# KiCad board motherboard.kicad_pcb (continued)
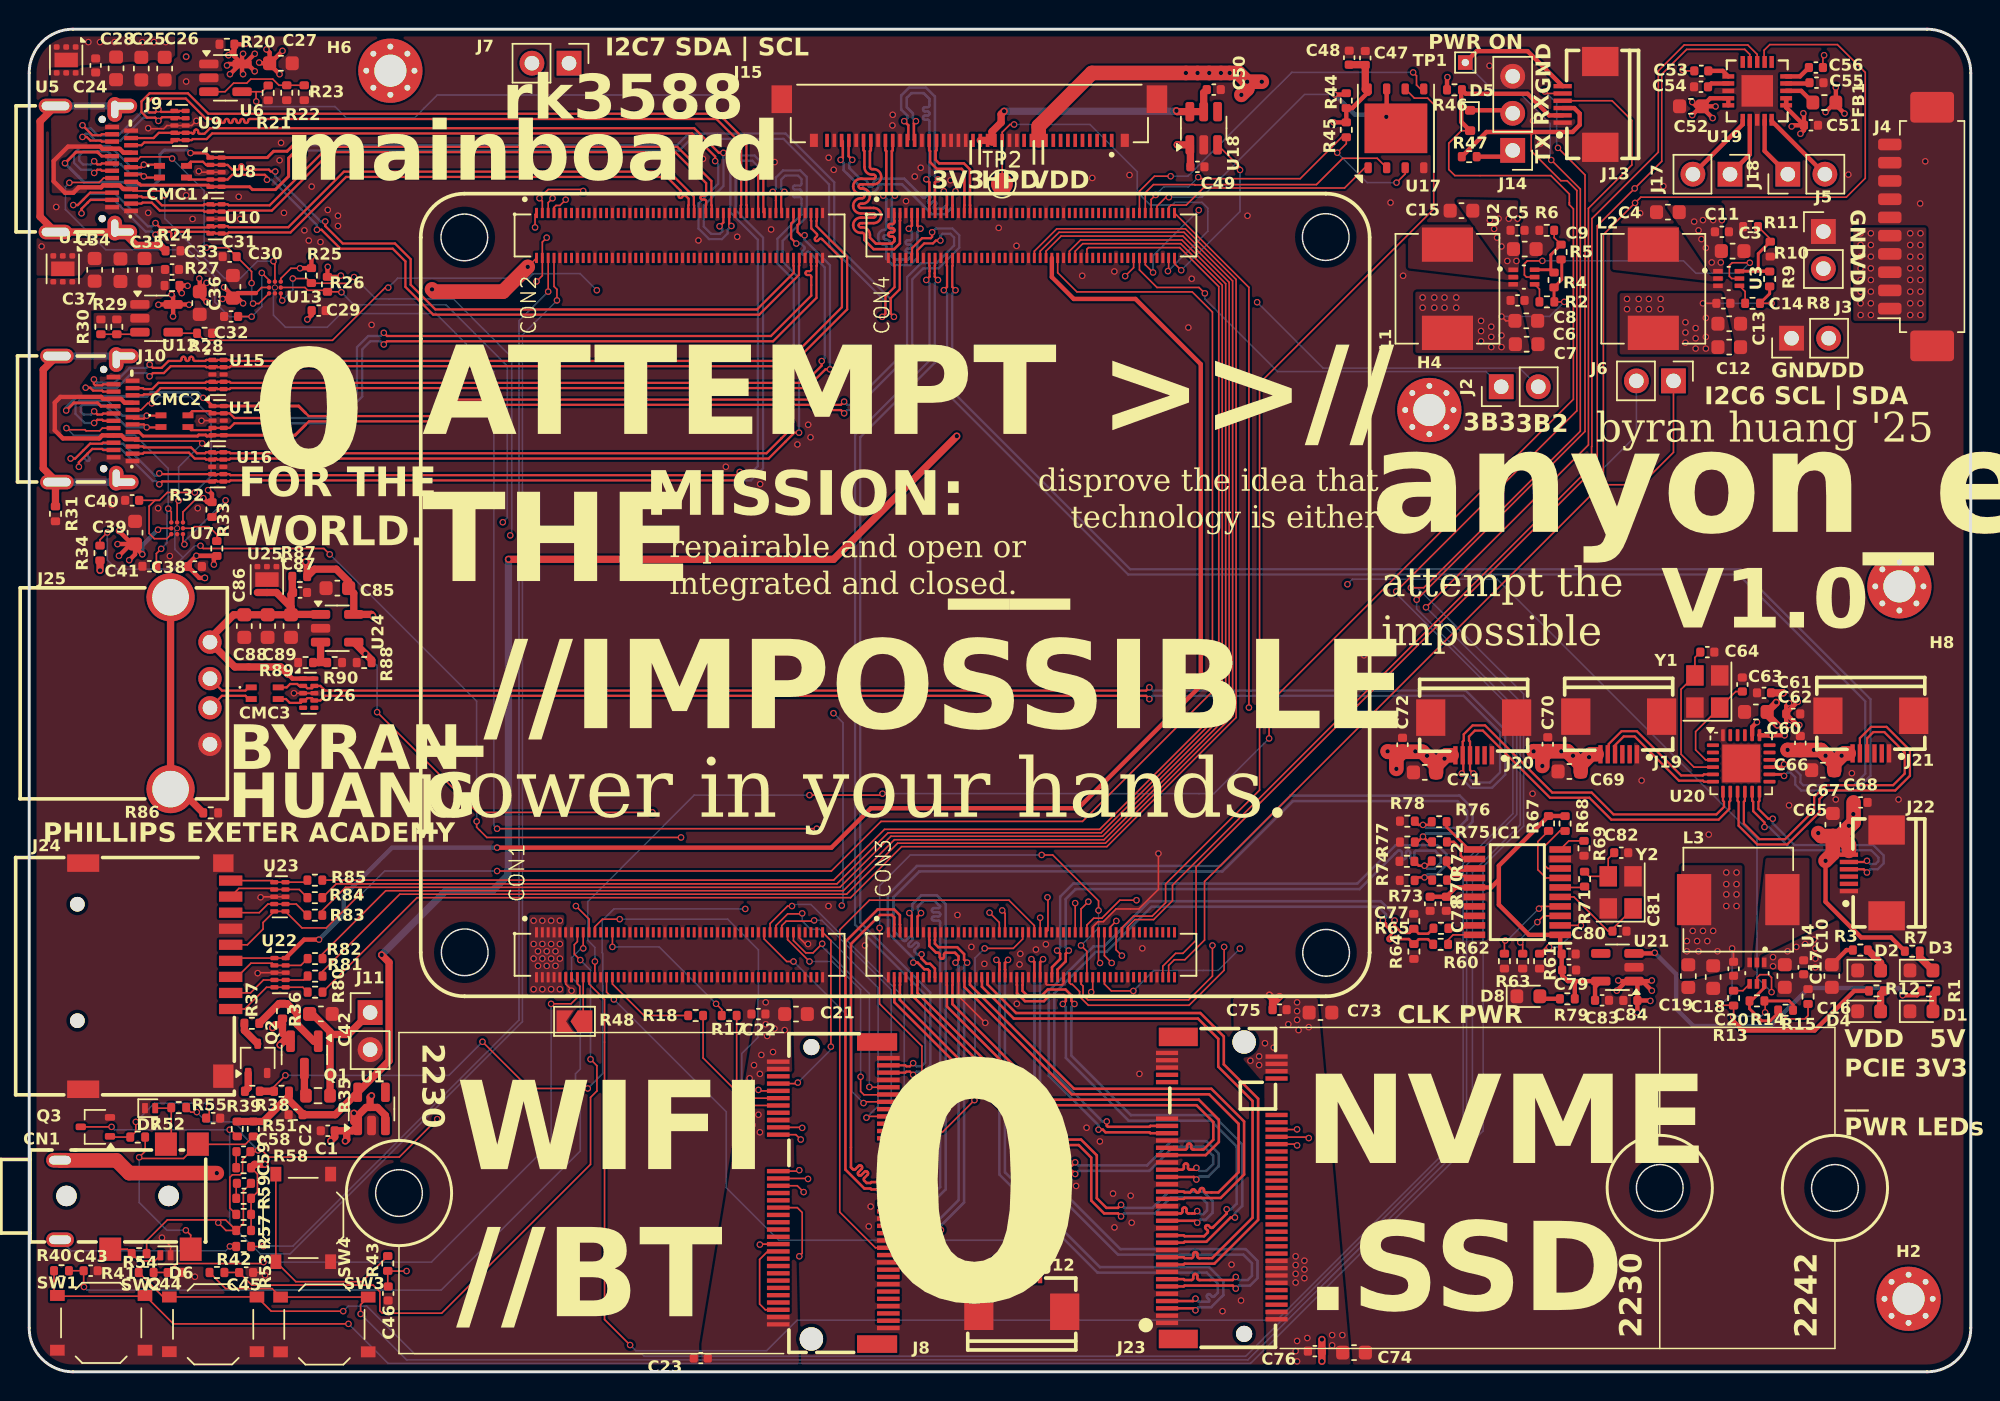
[diagram p0: board, top side]
## Routing (per net, layer and track width the routed paths; a pad name or vN(x,y) marks a point on that pad's centre or on a via; arc(x,y) is an arc through that point) (continued)
  Top w0.11: v1(17.55,20.32) 16.77,19.54 R38.2 ; J1.241 66.85,31.41 v1(66.65,31.62) ; v1(38.26,19.42) 34.25,19.42 v1(31.05,22.62)
  Top w0.5: R39.1 R38.2
  In2.Cu w0.11: v1(66.65,31.62) 65.75,32.52 49.85,32.52 v1(49.05,31.72)
  Bottom w0.11: v1(17.55,20.32) 28.75,20.32 v1(31.05,22.62) ; v1(38.26,19.42) 39.29,20.44 39.29,28.68 39.25,28.72 39.25,30.92 40.05,31.72 v1(49.05,31.72)
/GPIO2_A6: length 16.5
  Top w0.11: J1.79 50.35,29.66 51.89,28.12 v1(52.35,28.12) ; v1(57.15,18.42) 57.24,18.5 J8.13
  Bottom w0.11: v1(57.15,18.42) 56.35,19.22 56.35,24.12 v1(52.35,28.12)
/GPIO2_A7: length 22.1
  Top w0.11: v1(52.25,31.92) 51.95,31.92 50.75,30.71 J1.81 ; v1(60.25,18.02) 60.24,18 J8.15
  Bottom w0.11: v1(60.25,18.02) 59.94,18.33 59.94,25.63 53.54,32.03 52.36,32.03 v1(52.25,31.92)
/GPIO2_B0: length 21
  Top w0.11: v1(57.35,17.42) 57.44,17.5 J8.17 ; v1(52.95,31.42) 52.92,31.38 51.95,31.38 51.15,30.58 J1.83
  Bottom w0.11: v1(57.35,17.42) 58.15,18.22 58.15,26.32 54.14,30.32 53.52,30.32 52.95,30.89 v1(52.95,31.42)
/GPIO2_B1: length 21.3
  Top w0.11: J8.19 60.24,17 v1(60.25,17.02) ; J1.85 51.55,30.58 51.85,30.88 53.72,30.88 v1(53.77,30.93)
  Bottom w0.11: v1(53.77,30.93) 54.3,30.93 59.05,26.18 59.05,18.02 60.05,17.02 v1(60.25,17.02)
/GPIO2_B2: length 15.9
  Top w0.11: J8.11 58.83,18.98 57.19,18.98 56.95,19.22 v1(56.95,20.22) ; v1(53.45,28.12) 51.95,29.62 J1.87
  Bottom w0.11: v1(56.95,20.22) 56.95,26.18 55.02,28.12 v1(53.45,28.12)
/GPIO2_B3: length 15.6
  Top w0.11: v1(57.55,19.52) 57.57,19.5 J8.9 ; v1(54.32,29.34) 53.69,28.71 53.2,28.71 52.35,29.55 J1.89
  Bottom w0.11: v1(57.55,19.52) 57.55,25.92 54.32,29.15 v1(54.32,29.34)
/GPIO2_B7: length 12.9
  Top w0.11: v1(52.65,19.82) 52.59,19.75 J8.8 ; 54.91,22.26 v1(54.91,22.28) 54.91,29.55 J1.99
  Bottom w0.11: v1(54.91,22.28) 54.91,22.08 v1(52.65,19.82)
/GPIO2_C0: length 24.9
  Top w0.11: J8.10 50.02,19.25 v1(49.95,19.32) ; v1(40.45,31.02) 39.27,31.02 38.75,30.5 J1.21
  Bottom w0.11: v1(49.95,19.32) 49.39,19.32 48.82,19.89 48.82,21.81 49.92,22.91 49.92,25.54 49.95,25.57 49.95,28.92 47.85,31.02 v1(40.45,31.02)
/GPIO2_C3: length 10.7
  Top w0.11: v1(39.95,29.12) 39.95,30.11 J1.27 ; v1(47.05,25.22) 47.44,24.83 R17.2
  Bottom w0.11: v1(47.05,25.22) 43.15,29.12 v1(39.95,29.12)
/GPIO3_A0/SPI4_MISO_M1/PWM10_M0: length 25.3
  Top w0.11: J1.387 76.05,80.9 77.08,81.93 v1(78.19,81.93) ; v1(94.8,89.04) 95.03,88.81 95.03,88.18 95.53,87.68
  Bottom w0.11: v1(94.8,89.04) 94.79,89.05 86.49,89.05 79.37,81.93 v1(78.19,81.93)
/GPIO3_A1/SPI4_MOSI_M1: length 19.2
  Top w0.11: U17.2 92.34,83.16 89.98,83.16 88.18,81.35 80.33,81.35 80.3,81.33 79.86,81.33 79.83,81.35 77.01,81.35 76.45,80.79 J1.389
/GPIO3_A2/SPI4_CLK_M1/UART8_TX_M1: length 23.6
  Top w0.11: v1(93.66,81.49) 94.26,82.08 U17.3 ; v1(80.08,81.86) 80.19,81.76 87.06,81.76 89.9,84.6 R45.2 90.22,84.16 v1(89.6,83.54) ; v1(77.16,80.64) 76.85,80.33 J1.391
  Bottom w0.11: v1(93.66,81.49) 91.65,81.49 v1(89.6,83.54) ; v1(80.08,81.86) 79.41,81.2 77.72,81.2 v1(77.16,80.64)
/GPIO3_A3/SPI4_CS0_M1/UART8_RX_M1: length 22.5
  Top w0.11: v1(78.07,80.49) 77.87,80.49 77.25,79.87 J1.393
  Top w0.3: 92.99,87.68 92.99,86.02 v1(92.96,86) ; v1(89.42,87.53) 90.13,87.53 R44.2
  Bottom w0.11: v1(78.07,80.49) 80.32,80.49 87.36,87.53 v1(89.42,87.53)
  Bottom w0.3: v1(92.96,86) 92.81,86.15 90.8,86.15 v1(89.42,87.53)
/GPIO3_A5: length 15.3
  Top w0.11: 91.72,82.73 90.1,81.12 80.43,81.12 79.26,79.95 78.22,79.95 78.05,79.79 J1.397
/GPIO3_A6/LCD_RST: length 120.5
  Top w0.11: v1(52.75,7.92) 52.95,8.12 52.95,10.92 52.62,11.25 J8.42 ; v1(83.55,45.52) 83.55,74.31 J1.399
  In2.Cu w0.11: v1(83.55,45.52) 83.55,39.35 92.25,30.65 92.25,13.12 88.35,9.22 83.69,9.22 83.75,9.22 72.75,9.22 71.15,10.82 65.75,10.82 62.15,7.22 53.45,7.22 v1(52.75,7.92)
/GPIO3_A7: length 11.9
  Top w0.11: U18.3 82.94,82.54 v1(82.94,82.35) ; v1(78.91,75.48) 78.45,75.94 J1.400
  Bottom w0.11: v1(78.91,75.48) 82.94,79.51 v1(82.94,82.35)
/GPIO3_B2: length 32.9
  Top w0.11: v1(75.07,75.08) 75.65,75.66 J1.386
  In2.Cu w0.11: v1(84.11,73.29) 76.86,73.29 v1(75.07,75.08)
  Bottom w0.11: v1(84.11,73.29) 88.63,68.78 102.1,68.78 J2.2
/GPIO3_B3: length 29.1
  Top w0.11: v1(80.53,73.9) 80.13,74.3 77.26,74.3 76.05,75.5 J1.388
  Bottom w0.11: J2.1 99.79,68.54 85.51,68.54 80.53,73.52 v1(80.53,73.9)
/GPIO3_B4: length 92.7
  Top w0.11: R28.1 9.93,71.17 U12.4 ; R28.1 11.43,71.24 ; R28.1 11.99,70.68 20.77,70.68 24.38,74.29 v1(24.59,74.29) ; v1(76.98,75.33) 76.45,75.86 J1.390
  In2.Cu w0.11: v1(38.88,74.11) 41.96,77.19 41.96,81.11 49.78,88.93 71.94,88.93 80.11,80.76 v1(80.11,79.6)
  Bottom w0.11: v1(38.88,74.11) 37.74,75.25 34.53,75.25 34.22,74.94 25.24,74.94 v1(24.59,74.29) ; v1(80.11,79.6) 76.98,76.47 v1(76.98,75.33)
/GPIO3_B7: length 27.6
  Top w0.11: v1(78,75.42) 78.05,75.47 J1.398 ; TP2.1 66.65,81.42 J15.16 66.65,84.94 67.18,85.47 v1(67.46,85.47)
  Bottom w0.11: v1(78,75.42) 80.73,78.15 80.73,79.74 80.33,80.14 78.48,80.14 78.29,79.95 76.79,79.95 75.91,80.84 75.91,82.23 72.66,85.47 v1(67.46,85.47)
/GPIO4_A0/TP_2_INT_L: length 39
  Top w0.11: J8.53 57.97,8.5 55.52,10.94 55.52,30.29 57.55,32.32 67.11,32.32 68.85,30.58 J1.251
/GPIO4_A1/TP_2_RST_L: length 39.6
  Top w0.11: v1(60.35,8.02) 60.34,8 J8.55 ; v1(69.25,31.12) J1.253
  In2.Cu w0.11: v1(69.25,31.12) 69.29,31.08 73.62,31.08 74.45,31.92 74.81,31.92 75.58,31.14 75.58,26.97 64.79,16.17 64.79,11.3 61.5,8.02 v1(60.35,8.02)
/GPIO4_A2: length 50.3
  Top w0.11: J1.255 69.79,30.25 69.79,32.48 v1(69.75,32.52) ; J8.52 50.09,8.75 v1(50.05,8.72)
  In2.Cu w0.11: v1(69.75,32.52) 69.45,32.82 49.15,32.82 48.05,31.72 48.05,9.92 49.25,8.72 v1(50.05,8.72)
/GPIO4_B4/PCIE30X4_CLKREQn_M1_L: length 30.5
  Top w0.11: J1.265 71.65,32.11 v1(71.65,32.12) ; v1(87.65,16.02) 87.59,16.08 85.46,16.08 J23.52
  In2.Cu w0.11: v1(71.65,32.12) 72.35,32.82 74.49,32.82 75.59,31.71 77.13,31.71 87.65,21.2 v1(87.65,16.02)
/GPIO4_B5/PCIE30X4_WAKEn_M1_L: length 27.5
  Top w0.11: v1(86.85,16.62) 86.84,16.6 J23.54 ; v1(72.55,32.22) 72.05,31.72 J1.267
  In2.Cu w0.11: v1(86.85,16.62) 86.85,21.72 77.05,31.52 75.51,31.52 74.81,32.22 v1(72.55,32.22)
/GPIO4_B6/PCIE30X4_PERSTn_M1_L: length 30
  Top w0.11: v1(86.85,15.52) 86.77,15.6 J23.50 ; v1(75.85,32.32) 74.71,32.32 73.47,31.08 72.92,31.08 72.45,30.62 J1.269
  In2.Cu w0.11: v1(86.85,15.52) 86.89,15.48 88.02,15.48 88.45,15.92 88.45,20.68 76.81,32.32 v1(75.85,32.32)
/GPIO4_C2: length 41.5
  Top w0.11: v1(67.15,9.02) 67.25,9.02 67.65,8.62 67.65,7.84 67.24,7.43 J12.2 ; J1.26 39.55,26.02 v1(40.05,25.52)
  Bottom w0.11: v1(67.15,9.02) 51.35,9.02 47.75,12.62 47.75,17.82 v1(40.05,25.52)
/GPIO4_C3: length 6.5
  Top w0.11: R18.2 42.11,24.42 39.95,26.58 J1.28
/HDMI1_TX0N: length 14.4
  Top w0.176: J15.29 60.22,84.45 60.22,85.42 v1(59.94,85.7) ; J1.317 62.05,79.93 62.04,79.94 62.04,81.51 v1(62.25,81.72)
  Bottom w0.176: v1(62.25,81.72) 62.04,81.93 62.04,87.38 61.43,88 60.27,88 59.73,87.45 59.73,86.5 60.15,86.08 60.15,85.91 v1(59.94,85.7)
/HDMI1_TX0P: length 14.4
  Top w0.176: J1.315 61.65,79.93 61.66,79.94 61.66,81.51 v1(61.45,81.72) ; J15.28 60.6,84.43 60.6,85.56 v1(60.74,85.7)
  Bottom w0.176: v1(60.74,85.7) 60.53,85.91 60.53,86.23 60.11,86.65 60.11,87.3 60.43,87.62 61.27,87.62 61.66,87.23 61.66,86.77 arc(61.63,86.69) 61.55,86.65 61.35,86.65 arc(61.27,86.62) 61.23,86.54 61.23,86.48 arc(61.27,86.4) 61.35,86.37 61.55,86.37 arc(61.63,86.33) 61.66,86.25 61.66,86.2 arc(61.63,86.11) 61.55,86.08 61.35,86.08 arc(61.27,86.05) 61.23,85.97 61.23,85.91 arc(61.27,85.83) 61.35,85.79 61.55,85.79 arc(61.63,85.76) 61.66,85.68 61.66,81.93 v1(61.45,81.72)
/HDMI1_TX1N: length 14.7
  Top w0.176: v1(58.5,80.6) 58.71,80.81 58.71,83.64 58.65,83.7 J15.32 ; v1(61.05,78.33) 60.84,78.54 60.84,78.87 60.85,78.88 J1.311
  Bottom w0.176: v1(58.5,80.6) 58.71,80.39 58.71,78.35 arc(58.69,78.29) 58.62,78.26 arc(58.29,78.12) 58.16,77.79 58.16,77.68 arc(58.29,77.35) 58.62,77.22 arc(58.69,77.19) 58.71,77.13 58.71,76.28 59.15,75.84 60.35,75.84 60.84,76.33 60.84,78.12 v1(61.05,78.33)
/HDMI1_TX1P: length 14.7
  Top w0.176: v1(59.3,80.6) 59.09,80.81 59.09,83.64 59.15,83.7 J15.31 ; v1(60.25,78.33) 60.46,78.54 60.46,78.87 60.45,78.88 J1.309
  Bottom w0.176: v1(60.25,78.33) 60.46,78.12 60.46,77.65 arc(60.43,77.57) 60.35,77.53 60.16,77.53 arc(60.08,77.5) 60.05,77.42 60.05,77.36 arc(60.08,77.28) 60.16,77.25 60.35,77.25 arc(60.43,77.21) 60.46,77.13 60.46,77.08 arc(60.43,77) 60.35,76.96 60.16,76.96 arc(60.08,76.93) 60.05,76.85 60.05,76.79 arc(60.08,76.71) 60.16,76.68 60.35,76.68 arc(60.43,76.64) 60.46,76.56 60.46,76.48 60.19,76.22 59.31,76.22 59.09,76.43 59.09,77.13 arc(58.95,77.46) 58.62,77.6 arc(58.56,77.62) 58.54,77.68 58.54,77.79 arc(58.56,77.86) 58.62,77.88 arc(58.95,78.02) 59.09,78.35 59.09,80.39 v1(59.3,80.6)
/HDMI1_TX2N: length 17.5
  Top w0.176: J15.35 57.15,83.7 57.21,83.64 57.21,82.55 arc(57.36,82.19) 57.73,82.03 57.84,82.03 arc(57.94,81.99) 57.98,81.89 arc(57.94,81.79) 57.84,81.75 56.96,81.75 arc(56.59,81.59) 56.44,81.23 arc(56.59,80.86) 56.96,80.7 57.07,80.7 arc(57.17,80.66) 57.21,80.56 arc(57.17,80.46) 57.07,80.42 56.96,80.42 arc(56.59,80.26) 56.44,79.9 arc(56.59,79.53) 56.96,79.37 57.84,79.37 arc(57.94,79.33) 57.98,79.23 arc(57.94,79.13) 57.84,79.09 56.96,79.09 arc(56.59,78.94) 56.44,78.57 arc(56.59,78.2) 56.96,78.04 57.07,78.04 arc(57.17,78) 57.21,77.9 57.21,77.56 57.84,76.93 59.25,76.93 59.64,77.32 59.64,78.87 59.65,78.88 J1.305
/HDMI1_TX2P: length 17.5
  Top w0.176: J1.303 59.25,78.88 59.26,78.87 59.26,78.77 arc(59.23,78.68) 59.15,78.65 58.96,78.65 arc(58.88,78.62) 58.85,78.54 58.85,78.48 arc(58.88,78.4) 58.96,78.37 59.15,78.37 arc(59.23,78.33) 59.26,78.25 59.26,78.19 arc(59.23,78.11) 59.15,78.08 58.96,78.08 arc(58.88,78.05) 58.85,77.97 58.85,77.91 arc(58.88,77.83) 58.96,77.79 59.15,77.79 arc(59.23,77.76) 59.26,77.68 59.26,77.47 59.09,77.31 58,77.31 57.59,77.71 57.59,77.9 arc(57.44,78.27) 57.07,78.42 56.96,78.42 arc(56.86,78.47) 56.82,78.57 arc(56.86,78.67) 56.96,78.71 57.84,78.71 arc(58.21,78.86) 58.36,79.23 arc(58.21,79.6) 57.84,79.75 56.96,79.75 arc(56.86,79.79) 56.82,79.9 arc(56.86,80) 56.96,80.04 57.07,80.04 arc(57.44,80.19) 57.59,80.56 arc(57.44,80.93) 57.07,81.08 56.96,81.08 arc(56.86,81.12) 56.82,81.23 arc(56.86,81.33) 56.96,81.37 57.84,81.37 arc(58.21,81.52) 58.36,81.89 arc(58.21,82.26) 57.84,82.41 57.73,82.41 arc(57.63,82.45) 57.59,82.55 57.59,83.64 57.65,83.7 J15.34
/HDMI1_TX3N: length 14.5
  Top w0.176: J1.323 63.25,79.93 63.24,79.94 63.24,80.69 v1(63.45,80.9) ; J15.38 55.73,84.3 55.73,83.2 v1(55.58,83.05)
  Bottom w0.176: v1(63.45,80.9) 63.24,80.69 63.24,79.82 62.75,79.33 61.83,79.33 59.78,81.38 58.24,81.38 arc(58.18,81.35) 58.16,81.29 arc(58.02,80.96) 57.69,80.82 57.58,80.82 arc(57.25,80.96) 57.11,81.29 arc(57.09,81.35) 57.02,81.38 56.75,81.38 55.79,82.34 55.79,82.84 v1(55.58,83.05)
/HDMI1_TX3P: length 14.5
  Top w0.176: J1.321 62.85,79.93 62.86,79.94 62.86,80.69 v1(62.65,80.9) ; v1(56.38,83.05) 56.13,83.3 56.13,84.36 J15.37
  Bottom w0.176: v1(62.65,80.9) 62.86,80.69 62.86,79.97 62.59,79.71 61.99,79.71 arc(61.96,79.79) 61.99,79.87 62.11,79.99 arc(62.15,80.07) 62.11,80.15 62.07,80.19 arc(61.99,80.23) 61.91,80.19 61.79,80.07 arc(61.71,80.04) 61.63,80.07 61.59,80.11 arc(61.55,80.19) 61.59,80.27 61.71,80.39 arc(61.74,80.48) 61.71,80.56 61.67,80.6 arc(61.59,80.63) 61.51,80.6 61.38,80.47 arc(61.3,80.44) 61.22,80.47 59.94,81.76 58.24,81.76 arc(57.91,81.62) 57.78,81.29 arc(57.75,81.23) 57.69,81.2 57.58,81.2 arc(57.52,81.23) 57.49,81.29 arc(57.35,81.62) 57.02,81.76 56.91,81.76 56.17,82.49 56.17,82.84 v1(56.38,83.05)
/HDMI1_TX_SBDN: length 7
  Top w0.176: J1.329 64.45,79.93 64.44,79.94 64.44,82.39 64.03,82.81 62.33,82.81 62.09,83.04 62.09,83.64 62.15,83.7 J15.25
/HDMI1_TX_SBDP: length 7
  Top w0.176: J1.327 64.05,79.93 64.06,79.94 64.06,82.24 63.87,82.43 62.17,82.43 61.71,82.89 61.71,83.64 61.65,83.7 J15.26
/I2C6_SCL_M0: length 207.7
  Top w0.11: 106.89,61.56 79.93,34.6 79.93,29.58 79.03,28.68 78.53,28.68 77.65,27.8 J1.296 ; 106.89,61.56 107.41,62.08 107.41,78.53 v1(109.98,81.09) 111.83,82.95 111.83,88.91 113.54,90.62 117.52,90.62 117.86,90.27 U19.19 ; 106.89,61.56 107.11,61.34 v1(107.11,61.19) ; U13.B3 18.89,74.3 19.08,74.11 20.33,74.11 R26.2 21.35,74.01 v1(21.39,73.97)
  In2.Cu w0.11: v1(32.44,58.22) 74.69,58.22 97.57,81.09 v1(109.98,81.09)
  Bottom w0.11: v1(107.11,61.19) 110.09,64.17 J6.2 ; v1(32.44,58.22) 32.75,58.53 32.75,68.92 28.55,73.12 22.24,73.12 v1(21.39,73.97)
/I2C6_SDA_M0: length 229
  Top w0.11: 107.7,60.79 110.41,60.79 112.63,63.01 J6.1 ; 107.7,60.79 80.51,33.6 80.51,29.59 79.16,28.24 78.44,28.24 78.05,27.85 J1.298 ; 107.7,60.79 107.83,60.92 107.83,77.93 v1(110,80.1) 110.39,80.49 124.47,80.49 125.77,81.79 125.77,89.04 123.86,90.95 119.23,90.95 118.84,90.56 118.84,89.79 U19.17 ; v1(22.25,75.02) 21.82,74.58 21.08,74.58 21.07,74.59 19.35,74.59 R25.2 19.02,74.92 v1(18.06,74.92) ; v1(17.33,73.41) 17.23,73.51 U13.C3
  In2.Cu w0.11: v1(32.95,57.32) 74.45,57.32 97.75,80.62 109.48,80.62 v1(110,80.1)
  Bottom w0.11: v1(18.06,74.92) 18.06,74.13 v1(17.33,73.41) ; v1(22.25,75.02) 23.75,73.52 29.05,73.52 33.05,69.52 33.05,57.42 v1(32.95,57.32)
/I2C7_SCL_M0: length 53
  Top w0.11: v1(13.25,57.62) 12.85,57.22 R33.2 12.85,57.38 12.32,57.91 11.31,57.91 11.2,57.8 U7.B3 ; v1(36.75,80.32) 36.36,79.92 36.08,79.92 35.95,79.79 J1.107
  In2.Cu w0.11: v1(13.25,57.62) 12.85,58.02 12.85,64.57 29.49,81.22 35.85,81.22 v1(36.75,80.32)
  In3.Cu w0.11: v1(36.75,80.32) 36.98,80.54 J7.1
/I2C7_SDA_M0: length 51.9
  Top w0.11: v1(35.85,80.42) 35.55,80.11 J1.105 ; R32.2 13.45,59.5 v1(13.45,59.72) ; v1(10.63,56.7) 10.53,56.8 U7.C3
  In2.Cu w0.11: v1(35.85,80.42) 35.32,80.95 29.51,80.95 13.45,64.89 v1(13.45,59.72)
  In3.Cu w0.11: v1(35.85,80.42) 35.85,88.26 J7.2
  Bottom w0.11: v1(10.63,56.7) 10.63,56.9 v1(13.45,59.72)
/MIC_IN: length 77.8
  Top w0.11: J1.106 35.55,74.02 v1(35.55,74.02) ; R53.2 16.02,8.59 v1(16.05,8.62)
  Bottom w0.11: v1(16.05,8.62) 18.07,8.62 33.55,24.1 33.55,72.02 v1(35.55,74.02)
/PCIE2.0-EKEY/GPIO3_D5/PWM11_M3/LCD_2_BL: length 6
  Top w0.11: J8.54 50.58,8.25 50.03,7.7 50.03,4.64 50.43,4.25 J8.70
/PCIE3.0-MKEY/CLK2N: length 2.4
  Top w0.176: IC1.13 98.48,34.49 98.35,34.36 97.51,34.36 97.09,34.77 R72.1
/PCIE3.0-MKEY/CLK2P: length 2
  Top w0.176: R70.1 97.22,33.69 97.51,33.98 98.35,33.98 98.48,33.84 IC1.14
/PCIE3.0-MKEY/CLK3N: length 2.9
  Top w0.176: IC1.11 98.63,35.79 97.09,37.32 R76.1
/PCIE3.0-MKEY/CLK3P: length 2.6
  Top w0.176: R75.1 97.59,36.31 98.06,35.83 98.06,35.37 98.29,35.14 IC1.12
/PCIE3.0-MKEY/PCIE30_REFCLK_A_N: length 46.3
  Top w0.176: R62.2 95.82,30.02 95.18,30.02 R65.2 94.56,30.08 94.02,30.08 93.53,30.57 v1(93.53,30.93) ; v1(73.25,16.59) 73.55,16.59 73.73,16.41 76.74,16.41 76.8,16.35 J23.53
  Bottom w0.176: v1(93.53,30.93) 93.32,31.14 93.32,31.51 92.59,32.25 76.72,32.25 73.63,29.16 72.91,29.16 69.84,26.08 69.84,20.3 73.25,16.89 v1(73.25,16.59)
/PCIE3.0-MKEY/PCIE30_REFCLK_A_P: length 46.3
  Top w0.176: R60.2 95.82,29.64 95.18,29.64 R64.2 94.51,29.65 93.85,29.65 93.7,29.8 arc(93.62,29.83) 93.54,29.8 93.28,29.54 arc(93.2,29.51) 93.11,29.54 93.07,29.58 arc(93.04,29.66) 93.07,29.74 93.33,30 arc(93.37,30.08) 93.33,30.16 92.94,30.56 92.94,30.72 v1(92.73,30.93) ; v1(73.81,17.16) 73.81,16.86 73.88,16.79 76.74,16.79 76.8,16.85 J23.55
  Bottom w0.176: v1(92.73,30.93) 92.94,31.14 92.94,31.36 92.43,31.87 76.88,31.87 73.79,28.78 73.07,28.78 70.22,25.93 70.22,20.45 73.52,17.16 v1(73.81,17.16)
/PCIE3.0-MKEY/X1: length 6.7
  Top w0.11: IC1.5 105.82,32.54 108.17,30.19 C81.1 108.45,30.34 Y2.1
/PCIE3.0-MKEY/X2: length 1.7
  Top w0.11: R71.1 106.48,33.19 IC1.6
/PCIE20_1_REFCLKN: length 26.5
  Top w0.176: J1.217 62.05,29.59 62.04,29.58 62.04,29.33 62.28,29.1 63.57,29.1 64.04,28.62 64.04,28.25 v1(64.25,28.04) ; v1(62.45,9.72) 62.16,9.72 61.99,9.56 60.07,9.56 60.01,9.5 J8.49
  Bottom w0.176: v1(64.25,28.04) 64.04,27.83 64.04,11.61 62.45,10.02 v1(62.45,9.72)
/PCIE20_1_REFCLKP: length 26.5
  Top w0.176: J8.47 60.01,10 60.07,9.94 61.84,9.94 61.89,9.99 v1(61.89,10.29) ; J1.215 61.65,29.59 61.66,29.58 61.66,29.18 62.12,28.72 62.26,28.72 arc(62.34,28.68) 62.38,28.6 62.38,28.42 arc(62.41,28.34) 62.49,28.3 62.55,28.3 arc(62.63,28.34) 62.66,28.42 62.66,28.6 arc(62.7,28.68) 62.78,28.72 63.41,28.72 63.66,28.47 63.66,28.25 v1(63.45,28.04)
  Bottom w0.176: v1(61.89,10.29) 62.19,10.29 63.66,11.76 63.66,27.83 v1(63.45,28.04)
/PCIE20_1_RXN: length 29.1
  Top w0.176: J8.41 60.01,11.5 60.07,11.44 60.22,11.44 v1(60.43,11.65) ; v1(61.09,31.44) 60.85,31.2 J1.211
  Bottom w0.176: v1(60.43,11.65) 60.64,11.44 61.18,11.44 62.4,12.66 62.4,30.8 arc(62.37,30.88) 62.29,30.92 61.95,30.92 arc(61.87,30.95) 61.84,31.03 61.84,31.09 arc(61.87,31.17) 61.95,31.2 62.29,31.2 arc(62.37,31.23) 62.4,31.32 62.4,31.37 arc(62.37,31.45) 62.29,31.49 61.95,31.49 arc(61.87,31.52) 61.84,31.6 61.84,31.66 arc(61.87,31.74) 61.95,31.77 62.29,31.77 arc(62.37,31.81) 62.4,31.89 62.01,32.28 61.27,32.28 60.88,31.89 60.88,31.65 v1(61.09,31.44)
/PCIE20_1_RXP: length 29.1
  Top w0.176: v1(60.29,31.44) 60.45,31.27 J1.209 ; J8.43 60.01,11 60.07,11.06 60.22,11.06 v1(60.43,10.85)
  Bottom w0.176: v1(60.43,10.85) 60.64,11.06 61.33,11.06 62.78,12.51 62.78,32.04 62.17,32.66 61.11,32.66 60.5,32.04 60.5,31.65 v1(60.29,31.44)
/PCIE20_1_TXN: length 25.1
  Top w0.176: J8.37 57.69,12.5 57.63,12.56 57.21,12.56 55.91,13.86 55.91,29.47 58.12,31.69 59.25,31.69 59.64,31.29 59.64,30.65 59.65,30.64 J1.205
/PCIE20_1_TXP: length 25.1
  Top w0.176: J8.35 57.69,13 57.63,12.94 57.36,12.94 57.19,13.11 arc(57.16,13.19) 57.19,13.27 57.44,13.51 arc(57.47,13.59) 57.44,13.67 57.39,13.71 arc(57.31,13.75) 57.23,13.71 56.99,13.47 arc(56.91,13.44) 56.83,13.47 56.79,13.51 arc(56.76,13.59) 56.79,13.68 57.03,13.92 arc(57.06,14) 57.03,14.08 56.99,14.12 arc(56.91,14.15) 56.83,14.12 56.59,13.88 arc(56.51,13.84) 56.43,13.88 56.29,14.01 56.29,29.32 58.28,31.31 59.09,31.31 59.26,31.14 59.26,30.65 59.25,30.64 J1.203
/PCIE30_PORT0_REFCLKN: length 56.4
  Top w0.176: v1(61.12,28.61) 61.12,28.31 61.47,27.96 61.71,27.96 62.04,27.63 62.04,27.05 J1.218 ; R76.2 95.86,37.48 v1(95.47,37.48) 95.17,37.48 R78.2
  Bottom w0.176: v1(95.47,37.48) 95.68,37.27 97.9,37.27 98.49,37.85 98.49,38.45 97.83,39.11 86.56,39.11 81.74,34.29 60.97,34.29 59.2,32.52 59.2,30.23 59.89,29.55 arc(59.97,29.51) 60.05,29.55 60.29,29.79 arc(60.37,29.82) 60.45,29.79 60.49,29.75 arc(60.52,29.67) 60.49,29.59 60.25,29.35 arc(60.22,29.27) 60.25,29.18 60.29,29.14 arc(60.37,29.11) 60.45,29.14 60.69,29.38 arc(60.77,29.42) 60.85,29.38 60.89,29.34 arc(60.93,29.26) 60.89,29.18 60.65,28.94 arc(60.62,28.86) 60.65,28.78 60.83,28.61 v1(61.12,28.61)
/PCIE30_PORT0_REFCLKP: length 56.6
  Top w0.176: R75.2 95.84,36.31 v1(95.47,36.68) 95.1,36.3 R77.2 ; v1(60.56,28.04) 60.86,28.04 61.31,27.58 61.55,27.58 61.66,27.47 61.66,27.05 J1.216
  Bottom w0.176: v1(60.56,28.04) 60.56,28.34 58.82,30.08 58.82,32.67 60.81,34.67 81.58,34.67 86.4,39.49 97.99,39.49 98.87,38.6 98.87,37.7 98.06,36.89 95.68,36.89 v1(95.47,36.68)
/PCIE30_PORT0_RX0N: length 34.2
  Top w0.176: J23.41 79.78,13.35 v1(79.95,13.18) ; J1.206 59.65,26.51 59.64,26.5 59.64,25.48 70.98,14.15 71.44,14.15 v1(71.65,14.36)
  Bottom w0.176: v1(79.95,13.18) 80.16,13.39 80.78,13.39 81.48,14.09 81.48,14.95 80.63,15.81 78.23,15.81 76.57,14.15 71.86,14.15 v1(71.65,14.36)
/PCIE30_PORT0_RX0P: length 34.2
  Top w0.176: J23.43 78.98,13.85 arc(79.06,13.88) 79.09,13.96 79.09,14.16 arc(79.13,14.24) 79.21,14.27 79.26,14.27 arc(79.34,14.24) 79.38,14.16 79.38,13.96 arc(79.41,13.88) 79.49,13.85 79.83,13.85 v1(79.95,13.98) ; J1.204 59.25,26.51 59.26,26.5 59.26,25.33 70.82,13.77 71.44,13.77 v1(71.65,13.56)
  Bottom w0.176: v1(71.65,13.56) 71.86,13.77 76.73,13.77 78.39,15.43 80.47,15.43 81.1,14.8 81.1,14.24 80.62,13.77 80.16,13.77 v1(79.95,13.98)
/PCIE30_PORT0_RX1N: length 34.3
  Top w0.176: v1(74.79,11.45) 74.58,11.24 73.79,11.24 73.13,11.89 73.13,14.83 72.05,15.92 70.89,15.92 60.84,25.96 60.84,26.5 60.85,26.51 J1.212 ; J23.29 79.88,10.35 v1(80.01,10.22)
  Bottom w0.176: v1(80.01,10.22) 80.22,10.43 80.59,10.43 81.06,10.9 81.06,11.7 80.43,12.34 78.05,12.34 76.95,11.24 75,11.24 v1(74.79,11.45)
/PCIE30_PORT0_RX1P: length 34.3
  Top w0.176: v1(80.01,11.02) 79.85,10.85 79.39,10.85 arc(79.31,10.88) 79.28,10.96 79.28,11.14 arc(79.24,11.22) 79.16,11.26 79.11,11.26 arc(79.02,11.22) 78.99,11.14 78.99,10.96 arc(78.96,10.88) 78.88,10.85 J23.31 ; J1.210 60.45,26.51 60.46,26.5 60.46,25.81 70.73,15.54 71.89,15.54 72.75,14.68 72.75,11.74 73.63,10.86 74.58,10.86 v1(74.79,10.65)
  Bottom w0.176: v1(80.01,11.02) 80.22,10.81 80.43,10.81 80.68,11.05 80.68,11.55 80.27,11.96 78.21,11.96 77.11,10.86 75,10.86 v1(74.79,10.65)
/PCIE30_PORT0_TX0N: length 28.8
  Top w0.176: J1.224 63.25,26.51 63.24,26.5 63.24,25.19 69.79,18.65 80.12,18.65 81.49,17.27 81.49,15.75 80.59,14.85 J23.47
/PCIE30_PORT0_TX0P: length 28.9
  Top w0.176: J23.49 78.06,15.23 79.2,15.23 arc(79.28,15.26) 79.31,15.34 79.31,15.52 arc(79.35,15.6) 79.43,15.64 79.49,15.64 arc(79.57,15.6) 79.6,15.52 79.6,15.34 arc(79.63,15.26) 79.71,15.23 80.44,15.23 81.11,15.9 81.11,17.12 79.96,18.27 69.63,18.27 62.86,25.04 62.86,26.5 62.85,26.51 J1.222
/PCIE30_PORT0_TX1N: length 32.8
  Top w0.176: J23.35 79.08,11.85 79.14,11.91 81.61,11.91 83.22,13.52 83.22,17.15 80.98,19.4 71.57,19.4 64.44,26.52 64.44,26.78 64.45,26.79 J1.230
/PCIE30_PORT0_TX1P: length 32.8
  Top w0.176: J1.228 64.05,26.79 64.06,26.78 64.06,26.37 71.41,19.02 80.82,19.02 82.84,17 82.84,13.67 81.46,12.29 80.59,12.29 arc(80.51,12.32) 80.47,12.4 80.47,12.47 arc(80.44,12.55) 80.36,12.59 80.3,12.59 arc(80.22,12.55) 80.19,12.47 80.19,12.4 arc(80.15,12.32) 80.07,12.29 79.99,12.29 arc(79.92,12.32) 79.89,12.39 arc(79.86,12.46) 79.79,12.49 79.7,12.49 arc(79.63,12.46) 79.6,12.39 arc(79.57,12.32) 79.5,12.29 79.14,12.29 79.08,12.35 J23.37
/PCIE30_PORT1_REFCLKN: length 38.1
  Top w0.176: J1.260 70.45,27.29 70.44,27.3 70.44,27.57 71,28.13 71,28.66 v1(71.21,28.87) ; R74.2 95.19,34.68 v1(95.58,34.68) 95.75,34.68 R72.2
  Bottom w0.176: v1(71.21,28.87) 71,29.08 71,32.4 71.68,33.08 91.13,33.08 93.76,35.71 93.91,35.71 arc(93.99,35.67) 94.03,35.59 94.03,35.25 arc(94.06,35.17) 94.14,35.14 94.2,35.14 arc(94.28,35.17) 94.31,35.25 94.31,35.59 arc(94.35,35.67) 94.43,35.71 94.48,35.71 arc(94.56,35.67) 94.6,35.59 94.6,35.25 arc(94.63,35.17) 94.71,35.14 94.77,35.14 arc(94.85,35.17) 94.88,35.25 94.88,35.59 arc(94.92,35.67) 95,35.71 96.3,35.71 96.69,35.32 96.69,34.89 96.26,34.47 95.79,34.47 v1(95.58,34.68)
/PCIE30_PORT1_REFCLKP: length 38
  Top w0.176: R73.2 95.11,33.88 v1(95.58,33.88) 95.92,33.88 R70.2 ; v1(70.41,28.87) 70.62,28.66 70.62,28.28 70.06,27.72 70.06,27.3 70.05,27.29 J1.258
  Bottom w0.176: v1(70.41,28.87) 70.62,29.08 70.62,32.55 71.52,33.46 90.97,33.46 93.6,36.09 96.46,36.09 97.07,35.47 97.07,34.74 96.42,34.09 95.79,34.09 v1(95.58,33.88)
/PCIE30_PORT1_RX2N: length 39.2
  Top w0.176: J1.236 65.65,26.79 65.64,26.78 65.64,26.54 67.6,24.59 80.22,24.59 81.83,22.97 81.83,21.06 84.18,18.71 84.18,10.41 81.18,7.41 79.14,7.41 79.08,7.35 J23.17
/PCIE30_PORT1_RX2P: length 39.2
  Top w0.176: J1.234 65.25,26.79 65.26,26.78 65.26,26.39 67.44,24.21 80.06,24.21 81.45,22.82 81.45,20.91 83.8,18.56 83.8,10.56 81.03,7.79 80.14,7.79 arc(80.06,7.82) 80.02,7.9 80.02,8.09 arc(79.99,8.17) 79.91,8.2 79.85,8.2 arc(79.77,8.17) 79.74,8.09 79.74,7.9 arc(79.7,7.82) 79.62,7.79 79.14,7.79 79.08,7.85 J23.19
/PCIE30_PORT1_RX3N: length 39.3
  Top w0.176: v1(79.89,4.22) 79.76,4.35 J23.5 ; v1(67.05,28.23) 66.84,28.02 66.84,27.57 66.85,27.56 J1.242
  Bottom w0.176: v1(67.05,28.23) 66.84,28.02 66.84,13.67 73.34,7.18 80.82,7.18 81.8,6.19 81.8,5.26 80.97,4.43 80.1,4.43 v1(79.89,4.22)
/PCIE30_PORT1_RX3P: length 39.3
  Top w0.176: v1(66.25,28.23) 66.46,28.02 66.46,27.57 66.45,27.56 J1.240 ; v1(79.89,5.02) 79.73,4.85 J23.7
  Bottom w0.176: v1(79.89,5.02) 80.1,4.81 80.81,4.81 arc(80.85,4.89) 80.81,4.97 80.69,5.09 arc(80.65,5.17) 80.69,5.25 80.73,5.29 arc(80.81,5.33) 80.89,5.29 81.01,5.17 arc(81.1,5.14) 81.18,5.17 81.42,5.41 81.42,6.04 80.66,6.8 73.18,6.8 66.46,13.52 66.46,28.02 v1(66.25,28.23)
/PCIE30_PORT1_TX2N: length 33.9
  Top w0.176: v1(82.59,10.57) 82.3,10.57 80.63,8.91 79.14,8.91 79.08,8.85 J23.23 ; J1.248 68.05,26.51 68.04,26.5 68.04,26.1 68.37,25.78 69.35,25.78 69.77,26.2 70.99,26.2 71.39,25.79 71.39,25.42 v1(71.6,25.21)
  Bottom w0.176: v1(82.59,10.57) 82.59,10.87 83.09,11.37 83.09,15.59 81.1,17.59 75.47,17.59 71.39,21.67 71.39,25 v1(71.6,25.21)
/PCIE30_PORT1_TX2P: length 33.9
  Top w0.176: v1(82.03,11.14) 82.03,10.84 81.08,9.89 arc(81,9.86) 80.92,9.89 80.79,10.02 arc(80.71,10.05) 80.63,10.02 80.59,9.98 arc(80.55,9.9) 80.59,9.82 80.71,9.69 arc(80.75,9.61) 80.71,9.53 80.48,9.29 79.14,9.29 79.08,9.35 J23.25 ; J1.246 67.65,26.51 67.66,26.5 67.66,25.95 68.21,25.4 69.51,25.4 69.93,25.82 70.86,25.82 71.01,25.67 71.01,25.42 v1(70.8,25.21)
  Bottom w0.176: v1(82.03,11.14) 82.33,11.14 82.71,11.52 82.71,15.44 80.94,17.21 75.31,17.21 71.01,21.51 71.01,25 v1(70.8,25.21)
/PCIE30_PORT1_TX3N: length 41.1
  Top w0.176: J1.254 69.25,28.08 v1(69.45,28.28) ; v1(82.65,5.7) 82.44,5.91 79.14,5.91 79.08,5.85 J23.11
  Bottom w0.176: v1(82.65,5.7) 82.86,5.91 83.62,5.91 84.14,6.43 84.14,7.59 83.33,8.41 74.75,8.41 69.24,13.91 69.24,28.07 v1(69.45,28.28)
